# Altium PCB BreakOutBoard_Cyclone.PcbDoc (part 6 of 7)
Units mm, origin at the board's own origin, x right, y up, seen from the top; angles counter-clockwise.
Board outline 360 x 235.6 mm, 2 copper layers (Top Layer, Bottom Layer); 147 components, 203 nets, 2829 pads, 104 vias.
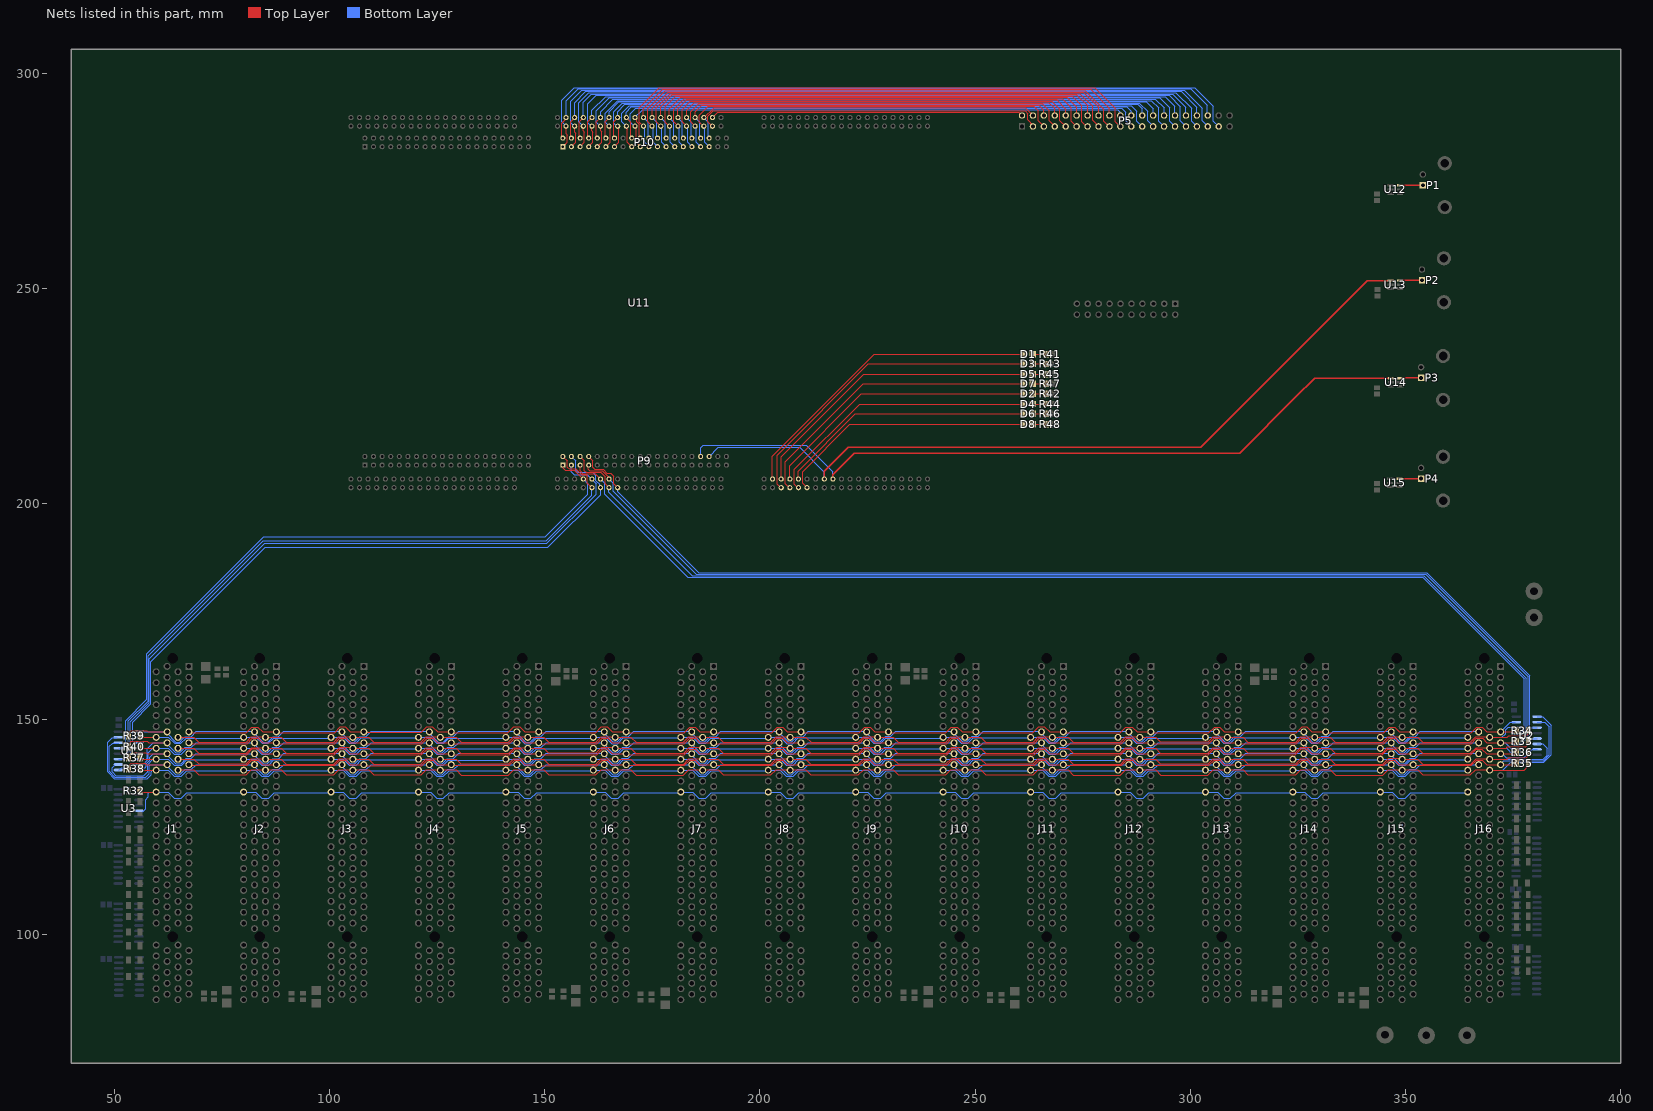
[diagram p6: the nets of this part, all layers, seen from the top]

## Via types
v1: diameter 0.6, hole 0.3, Top Layer to Bottom Layer, 53 vias
v2: diameter 1.27, hole 0.711, Top Layer to Bottom Layer, 36 vias
v3: diameter 5.5, hole 4.5, Top Layer to Bottom Layer, 15 vias

## Nets (pads, with @x,y where several pads share a name; then routed paths per layer and width w, separated by ;. In a path a pad name is that pad's centre, name@x,y a point inside that pad or via, vN(x,y) a via of type N, cw(c..) or ccw(c..) an arc to the next point about the centre after c; other vN are vias at no path point) (continued)
BUS31_P: J1.84 J2.84 J3.84 J4.84 J5.84 J6.84 J7.84 J8.84 J9.84 J10.84 J11.84 J12.84 J13.84 J14.84 J15.84 J16.84 R32.2 U3.5 | length 332.7
  Top Layer w0.15: R32.2@56.1,133.3 56.367,133.032 J1.84@59.69,133.032
  Bottom Layer w0.15: U3.5@56.6,128.5 57.24,129.14 57.24,131.24 57.9,131.9 57.9,132.7 58.233,133.032 J1.84@59.69,133.032 ; J1.84@59.6,133 62.5,133 63.9,131.6 65.5,131.6 66.8,132.9 79.758,132.9 J2.84@79.91,133.052 ; J2.84@79.92,133 82.82,133 84.22,131.6 85.82,131.6 87.12,132.9 100.078,132.9 J3.84@100.23,133.052 ; J3.84@100.24,133 103.14,133 104.54,131.6 106.14,131.6 107.44,132.9 120.398,132.9 J4.84@120.55,133.052 ; J4.84@120.56,133 123.46,133 124.86,131.6 126.46,131.6 127.76,132.9 140.718,132.9 J5.84@140.87,133.052 ; J5.84@140.88,133 143.78,133 145.18,131.6 146.78,131.6 148.08,132.9 161.038,132.9 J6.84@161.19,133.052 ; J6.84@161.2,133 164.1,133 165.5,131.6 167.1,131.6 168.4,132.9 181.358,132.9 J7.84@181.51,133.052 ; J7.84@181.52,133 184.42,133 185.82,131.6 187.42,131.6 188.72,132.9 201.678,132.9 J8.84@201.83,133.052 ; J8.84@201.84,133 204.74,133 206.14,131.6 207.74,131.6 209.04,132.9 221.998,132.9 J9.84@222.15,133.052 ; J9.84@222.16,133 225.06,133 226.46,131.6 228.06,131.6 229.36,132.9 242.318,132.9 J10.84@242.47,133.052 ; J10.84@242.48,133 245.38,133 246.78,131.6 248.38,131.6 249.68,132.9 262.638,132.9 J11.84@262.79,133.052 ; J11.84@262.8,133 265.7,133 267.1,131.6 268.7,131.6 270,132.9 282.958,132.9 J12.84@283.11,133.052 ; J12.84@283.12,133 286.02,133 287.42,131.6 289.02,131.6 290.32,132.9 303.278,132.9 J13.84@303.43,133.052 ; J13.84@303.44,133 306.34,133 307.74,131.6 309.34,131.6 310.64,132.9 323.598,132.9 J14.84@323.75,133.052 ; J14.84@323.76,133 326.66,133 328.06,131.6 329.66,131.6 330.96,132.9 343.918,132.9 J15.84@344.07,133.052 ; J15.84@344.08,133 346.98,133 348.38,131.6 349.98,131.6 351.28,132.9 364.238,132.9 J16.84@364.39,133.052
BUS32: P9.6 U2.11 U11.1B13 | length 261.1
  Top Layer w0.15: P9.6@158.2,211 159.2,210 159.2,207.7 159.58,207.32 162.98,207.32 164,206.3 164,204.7 U11.1B13@164.95,203.75
  Bottom Layer w0.15: U11.1B13@164.9,203.77 164.9,202.65 184.25,183.3 354.3,183.3 378.08,159.52 378.08,145.38 376.895,144.195 U2.11@375.8,144.195
BUS32_N: J1.15 J2.15 J3.15 J4.15 J5.15 J6.15 J7.15 J8.15 J9.15 J10.15 J11.15 J12.15 J13.15 J14.15 J15.15 J16.15 R33.1 U2.10 | length 322.5
  Top Layer w0.15: J1.15@67.506,144.306 80.835,144.306 82.032,145.503 83.436,145.503 84.437,144.502 J2.15@87.63,144.502 ; J2.15@87.826,144.306 101.155,144.306 102.352,145.503 103.756,145.503 104.757,144.502 J3.15@107.95,144.502 ; J3.15@108.146,144.306 108.172,144.28 121.449,144.28 122.672,145.503 124.076,145.503 125.077,144.502 J4.15@128.27,144.502 ; J4.15@128.466,144.306 128.482,144.29 141.779,144.29 142.992,145.503 144.396,145.503 145.397,144.502 J5.15@148.59,144.502 ; J5.15@148.786,144.306 148.822,144.27 162.079,144.27 163.312,145.503 164.716,145.503 165.717,144.502 J6.15@168.91,144.502 ; J6.15@169.106,144.306 169.122,144.29 182.419,144.29 183.632,145.503 185.036,145.503 186.037,144.502 J7.15@189.23,144.502 ; J7.15@189.426,144.306 202.755,144.306 203.952,145.503 205.356,145.503 206.357,144.502 J8.15@209.55,144.502 ; J8.15@209.746,144.306 209.792,144.26 223.029,144.26 224.272,145.503 225.676,145.503 226.677,144.502 J9.15@229.87,144.502 ; J9.15@230.066,144.306 243.395,144.306 244.592,145.503 245.996,145.503 246.997,144.502 J10.15@250.19,144.502 ; J10.15@250.386,144.306 250.412,144.28 263.689,144.28 264.912,145.503 266.316,145.503 267.317,144.502 J11.15@270.51,144.502 ; J11.15@270.706,144.306 270.752,144.26 283.989,144.26 285.232,145.503 286.636,145.503 287.637,144.502 J12.15@290.83,144.502 ; J12.15@291.026,144.306 304.355,144.306 305.552,145.503 306.956,145.503 307.957,144.502 J13.15@311.15,144.502 ; J13.15@311.346,144.306 324.675,144.306 325.872,145.503 327.276,145.503 328.277,144.502 J14.15@331.47,144.502 ; J14.15@331.666,144.306 344.995,144.306 346.192,145.503 347.596,145.503 348.597,144.502 J15.15@351.79,144.502 ; J15.15@351.986,144.306 365.315,144.306 366.512,145.503 367.916,145.503 368.917,144.502 J16.15@372.11,144.502 ; J16.15@372.11,144.463 R33.1@375.563,144.463
  Bottom Layer w0.15: J16.15@372.11,144.463 373.207,144.463 374.67,143 U2.10@374.9,143
BUS32_P: J1.16 J2.16 J3.16 J4.16 J5.16 J6.16 J7.16 J8.16 J9.16 J10.16 J11.16 J12.16 J13.16 J14.16 J15.16 J16.16 R33.2 U2.9 | length 335.2
  Top Layer w0.15: J1.16@64.77,143.173 68.428,143.173 69.57,142.03 80.63,142.03 81.95,143.35 84.912,143.35 J2.16@85.032,143.23 ; J2.16@85.09,143.173 88.748,143.173 89.89,142.03 100.938,142.03 102.308,143.4 105.182,143.4 J3.16@105.352,143.23 ; J3.16@105.41,143.173 109.068,143.173 110.25,141.99 121.198,141.99 122.508,143.3 125.602,143.3 J4.16@125.672,143.23 ; J4.16@125.73,143.173 129.388,143.173 130.5,142.06 141.62,142.06 142.91,143.35 145.872,143.35 J5.16@145.992,143.23 ; J5.16@146.05,143.173 149.708,143.173 150.77,142.11 161.99,142.11 163.27,143.39 166.152,143.39 J6.16@166.312,143.23 ; J6.16@166.37,143.173 170.028,143.173 171.16,142.04 182.24,142.04 183.58,143.38 186.482,143.38 J7.16@186.632,143.23 ; J7.16@186.69,143.173 190.348,143.173 191.5,142.02 202.54,142.02 203.9,143.38 206.802,143.38 J8.16@206.952,143.23 ; J8.16@207.01,143.173 210.668,143.173 211.76,142.08 222.92,142.08 224.22,143.38 227.122,143.38 J9.16@227.272,143.23 ; J9.16@227.33,143.173 230.988,143.173 232.07,142.09 243.25,142.09 244.56,143.4 247.422,143.4 J10.16@247.592,143.23 ; J10.16@247.65,143.173 251.308,143.173 252.42,142.06 263.54,142.06 264.78,143.3 267.842,143.3 J11.16@267.912,143.23 ; J11.16@267.97,143.173 271.628,143.173 272.76,142.04 283.748,142.04 285.062,143.354 288.108,143.354 J12.16@288.232,143.23 ; J12.16@288.29,143.173 291.948,143.173 293.04,142.08 304.088,142.08 305.308,143.3 308.482,143.3 J13.16@308.552,143.23 ; J13.16@308.61,143.173 312.268,143.173 313.33,142.11 324.418,142.11 325.708,143.4 328.702,143.4 J14.16@328.872,143.23 ; J14.16@328.93,143.173 332.588,143.173 333.67,142.09 344.61,142.09 345.81,143.29 349.132,143.29 J15.16@349.192,143.23 ; J15.16@349.25,143.173 352.908,143.173 354.074,142.006 365.082,142.006 366.426,143.35 369.392,143.35 J16.16@369.512,143.23 ; J16.16@369.57,143.192 373.392,143.192 373.7,143.5 378,143.5 R33.2@378.6,144.1
  Bottom Layer w0.15: J16.16@369.57,143.192 373.508,143.192 U2.9@375,141.7
BUS33: P9.5 U2.13 U11.1B12 | length 256.2
  Top Layer w0.15: P9.5@158.2,209 158.2,207.7 158.88,207.02 161.68,207.02 U11.1B12@162.95,205.75
  Bottom Layer w0.15: U11.1B12@162.98,205.72 163.93,204.77 163.93,202.2 183.23,182.9 354.05,182.9 377.6,159.35 377.6,147.5 376.835,146.735 U2.13@375.8,146.735
BUS33_N: J1.14 J2.14 J3.14 J4.14 J5.14 J6.14 J7.14 J8.14 J9.14 J10.14 J11.14 J12.14 J13.14 J14.14 J15.14 J16.14 R34.1 U2.14 | length 336.1
  Top Layer w0.15: J1.14@64.77,145.772 68.428,145.772 69.57,144.63 80.63,144.63 81.83,145.83 J2.14@85.032,145.83 ; J2.14@85.09,145.772 88.748,145.772 89.87,144.65 100.97,144.65 102.15,145.83 J3.14@105.352,145.83 ; J3.14@105.41,145.772 109.068,145.772 110.26,144.58 121.22,144.58 122.47,145.83 J4.14@125.672,145.83 ; J4.14@125.73,145.772 129.388,145.772 130.57,144.59 141.55,144.59 142.79,145.83 J5.14@145.992,145.83 ; J5.14@146.05,145.772 149.708,145.772 150.91,144.57 161.85,144.57 163.11,145.83 J6.14@166.312,145.83 ; J6.14@166.37,145.772 170.028,145.772 171.21,144.59 182.19,144.59 183.43,145.83 J7.14@186.632,145.83 ; J7.14@186.69,145.772 190.348,145.772 191.51,144.61 202.53,144.61 203.75,145.83 J8.14@206.952,145.83 ; J8.14@207.01,145.772 210.668,145.772 211.88,144.56 222.8,144.56 224.07,145.83 J9.14@227.272,145.83 ; J9.14@227.33,145.772 230.988,145.772 232.15,144.61 243.17,144.61 244.39,145.83 J10.14@247.592,145.83 ; J10.14@247.65,145.772 251.308,145.772 252.5,144.58 263.46,144.58 264.71,145.83 J11.14@267.912,145.83 ; J11.14@267.97,145.772 271.628,145.772 272.84,144.56 283.76,144.56 285.03,145.83 J12.14@288.232,145.83 ; J12.14@288.29,145.772 291.948,145.772 293.023,144.697 304.217,144.697 305.35,145.83 J13.14@308.552,145.83 ; J13.14@308.61,145.772 312.268,145.772 313.41,144.63 324.47,144.63 325.67,145.83 J14.14@328.872,145.83 ; J14.14@328.93,145.772 332.588,145.772 333.73,144.63 344.79,144.63 345.99,145.83 J15.14@349.192,145.83 ; J15.14@349.25,145.772 352.908,145.772 354.074,144.606 365.086,144.606 366.31,145.83 J16.14@369.512,145.83 ; J16.14@369.57,145.732 373.632,145.732 374,146.1 378.1,146.1 R34.1@378.7,146.7
  Bottom Layer w0.15: J16.14@369.57,145.732 372.433,145.732 373.3,146.6 373.3,147.5 373.9,148.1 U2.14@375.8,148.1
BUS33_P: J1.13 J2.13 J3.13 J4.13 J5.13 J6.13 J7.13 J8.13 J9.13 J10.13 J11.13 J12.13 J13.13 J14.13 J15.13 J16.13 R34.2 U2.15 | length 325.2
  Top Layer w0.15: J1.13@67.506,146.806 80.606,146.806 81.9,148.1 83.339,148.1 84.437,147.002 J2.13@87.63,147.002 ; J2.13@87.826,146.806 101.155,146.806 102.499,148.15 103.609,148.15 104.757,147.002 J3.13@107.95,147.002 ; J3.13@108.146,146.806 108.29,146.95 121.35,146.95 122.6,148.2 123.879,148.2 125.077,147.002 J4.13@128.27,147.002 ; J4.13@128.466,146.806 141.406,146.806 142.8,148.2 144.199,148.2 145.397,147.002 J5.13@148.59,147.002 ; J5.13@148.786,146.806 161.806,146.806 163.15,148.15 164.569,148.15 165.717,147.002 J6.13@168.91,147.002 ; J6.13@169.106,146.806 182.435,146.806 183.729,148.1 184.939,148.1 186.037,147.002 J7.13@189.23,147.002 ; J7.13@189.426,146.806 202.755,146.806 204.049,148.1 205.259,148.1 206.357,147.002 J8.13@209.55,147.002 ; J8.13@209.746,146.806 223.075,146.806 224.369,148.1 225.579,148.1 226.677,147.002 J9.13@229.87,147.002 ; J9.13@230.066,146.806 243.156,146.806 244.45,148.1 245.899,148.1 246.997,147.002 J10.13@250.19,147.002 ; J10.13@250.386,146.806 263.356,146.806 264.75,148.2 266.119,148.2 267.317,147.002 J11.13@270.51,147.002 ; J11.13@270.706,146.806 283.706,146.806 285,148.1 286.539,148.1 287.637,147.002 J12.13@290.83,147.002 ; J12.13@291.026,146.806 304.355,146.806 305.649,148.1 306.859,148.1 307.957,147.002 J13.13@311.15,147.002 ; J13.13@311.346,146.806 324.675,146.806 326.019,148.15 327.129,148.15 328.277,147.002 J14.13@331.47,147.002 ; J14.13@331.666,146.806 344.995,146.806 346.289,148.1 347.499,148.1 348.597,147.002 J15.13@351.79,147.002 ; J15.13@351.986,146.806 365.315,146.806 366.609,148.1 367.819,148.1 368.917,147.002 J16.13@372.11,147.002 375.303,147.002 R34.2@375.7,147.4
  Bottom Layer w0.15: J16.13@372.11,147.002 374.408,149.3 U2.15@375.5,149.3
BUS34: P9.8 U2.3 U11.1B15 | length 256
  Top Layer w0.15: P9.8@160.2,211 161.2,210 161.2,208.46 161.67,207.99 163.56,207.99 164.45,207.1 165.3,207.1 166,206.4 166,204.7 U11.1B15@166.95,203.75 U11.1B15@167,203.7
  Bottom Layer w0.15: U11.1B15@166.95,203.72 166.95,202.8 185.75,184 355,184 378.95,160.05 378.95,148.005 U2.3@380.6,148.005
BUS34_N: J1.19 J2.19 J3.19 J4.19 J5.19 J6.19 J7.19 J8.19 J9.19 J10.19 J11.19 J12.19 J13.19 J14.19 J15.19 J16.19 R35.1 U2.2 | length 341.9
  Top Layer w0.15: J1.19@67.506,139.206 80.689,139.206 81.933,140.45 83.389,140.45 84.437,139.402 J2.19@87.63,139.402 ; J2.19@87.826,139.206 101.155,139.206 102.389,140.44 103.719,140.44 104.757,139.402 J3.19@107.95,139.402 ; J3.19@108.146,139.206 108.172,139.18 121.449,139.18 122.699,140.43 124.049,140.43 125.077,139.402 J4.19@128.27,139.402 ; J4.19@128.466,139.206 141.795,139.206 143.019,140.43 144.369,140.43 145.397,139.402 J5.19@148.59,139.402 ; J5.19@148.786,139.206 148.822,139.17 162.079,139.17 163.339,140.43 164.689,140.43 165.717,139.402 J6.19@168.91,139.402 ; J6.19@169.106,139.206 182.435,139.206 183.659,140.43 185.009,140.43 186.037,139.402 J7.19@189.23,139.402 ; J7.19@189.426,139.206 202.755,139.206 204.019,140.47 205.289,140.47 206.357,139.402 J8.19@209.55,139.402 ; J8.19@209.746,139.206 223.075,139.206 224.299,140.43 225.649,140.43 226.677,139.402 J9.19@229.87,139.402 ; J9.19@230.066,139.206 243.395,139.206 244.689,140.5 245.899,140.5 246.997,139.402 J10.19@250.19,139.402 ; J10.19@250.386,139.206 263.715,139.206 264.939,140.43 266.289,140.43 267.317,139.402 J11.19@270.51,139.402 ; J11.19@270.706,139.206 270.712,139.2 284.029,139.2 285.259,140.43 286.609,140.43 287.637,139.402 J12.19@290.83,139.402 ; J12.19@291.026,139.206 304.355,139.206 305.579,140.43 306.929,140.43 307.957,139.402 J13.19@311.15,139.402 ; J13.19@311.346,139.206 324.675,139.206 325.899,140.43 327.249,140.43 328.277,139.402 J14.19@331.47,139.402 ; J14.19@331.666,139.206 344.995,139.206 346.259,140.47 347.529,140.47 348.597,139.402 J15.19@351.79,139.402 ; J15.19@351.986,139.206 365.315,139.206 366.539,140.43 367.889,140.43 368.917,139.402 J16.19@372.11,139.402 ; J16.19@372.11,139.382 375.583,139.382 R35.1@375.8,139.6
  Bottom Layer w0.15: J16.19@372.1,139.6 372.846,140.346 382.122,140.346 383.45,141.674 383.45,148.25 382.425,149.275 U2.2@380.6,149.275
BUS34_P: J1.20 J2.20 J3.20 J4.20 J5.20 J6.20 J7.20 J8.20 J9.20 J10.20 J11.20 J12.20 J13.20 J14.20 J15.20 J16.20 R35.2 U2.1 | length 355.2
  Top Layer w0.15: J1.20@64.77,138.172 68.428,138.172 69.61,136.99 80.59,136.99 81.83,138.23 J2.20@85.032,138.23 ; J2.20@85.09,138.172 88.748,138.172 89.92,137 100.92,137 102.15,138.23 J3.20@105.352,138.23 ; J3.20@105.41,138.172 109.068,138.172 110.24,137 121.24,137 122.47,138.23 J4.20@125.672,138.23 ; J4.20@125.73,138.172 129.388,138.172 130.6,136.96 141.52,136.96 142.79,138.23 J5.20@145.992,138.23 ; J5.20@146.05,138.172 149.708,138.172 150.89,136.99 161.87,136.99 163.11,138.23 J6.20@166.312,138.23 ; J6.20@166.37,138.172 170.028,138.172 171.23,136.97 182.17,136.97 183.43,138.23 J7.20@186.632,138.23 ; J7.20@186.69,138.172 190.348,138.172 191.47,137.05 202.57,137.05 203.75,138.23 J8.20@206.952,138.23 ; J8.20@207.01,138.172 210.668,138.172 211.84,137 222.84,137 224.07,138.23 J9.20@227.272,138.23 ; J9.20@227.33,138.172 230.988,138.172 232.16,137 243.16,137 244.39,138.23 J10.20@247.592,138.23 ; J10.20@247.65,138.172 251.308,138.172 252.48,137 263.48,137 264.71,138.23 J11.20@267.912,138.23 ; J11.20@267.97,138.172 271.628,138.172 272.82,136.98 283.78,136.98 285.03,138.23 J12.20@288.232,138.23 ; J12.20@288.29,138.172 291.948,138.172 293.15,136.97 304.09,136.97 305.35,138.23 J13.20@308.552,138.23 ; J13.20@308.61,138.172 312.268,138.172 313.363,137.077 324.517,137.077 325.67,138.23 J14.20@328.872,138.23 ; J14.20@328.93,138.172 332.588,138.172 333.8,136.96 344.72,136.96 345.99,138.23 J15.20@349.192,138.23 ; J15.20@349.25,138.172 352.908,138.172 354.07,137.01 365.09,137.01 366.31,138.23 J16.20@369.512,138.23 ; J16.20@369.57,138.112 377.612,138.112 R35.2@378.6,139.1
  Bottom Layer w0.15: J16.20@369.5,138.1 372.6,138.1 374.45,139.95 382.15,139.95 383.89,141.69 383.89,148.52 381.865,150.545 U2.1@380.6,150.545
BUS35: P9.7 U2.5 U11.1B14 | length 256.6
  Top Layer w0.15: P9.7@160.1,209 160.1,208 160.44,207.66 163.33,207.66 164.95,206.04 U11.1B14@164.95,205.75
  Bottom Layer w0.15: U11.1B14@165,205.67 165.94,204.73 165.94,202.96 185.25,183.65 354.7,183.65 378.56,159.79 378.56,145.94 379.035,145.465 U2.5@380.6,145.465
BUS35_N: J1.18 J2.18 J3.18 J4.18 J5.18 J6.18 J7.18 J8.18 J9.18 J10.18 J11.18 J12.18 J13.18 J14.18 J15.18 J16.18 R36.1 U2.6 | length 346.3
  Top Layer w0.15: J1.18@64.77,140.672 68.428,140.672 69.55,139.55 80.608,139.55 81.808,140.75 85.012,140.75 J2.18@85.032,140.73 ; J2.18@85.09,140.672 88.748,140.672 89.89,139.53 100.95,139.53 102.197,140.777 105.305,140.777 J3.18@105.352,140.73 ; J3.18@105.41,140.672 109.068,140.672 110.26,139.48 121.22,139.48 122.47,140.73 J4.18@125.672,140.73 ; J4.18@125.73,140.672 129.388,140.672 130.51,139.55 141.61,139.55 142.79,140.73 J5.18@145.992,140.73 ; J5.18@146.05,140.672 149.708,140.672 150.91,139.47 161.85,139.47 163.11,140.73 J6.18@166.312,140.73 ; J6.18@166.37,140.672 170.028,140.672 171.16,139.54 182.24,139.54 183.43,140.73 J7.18@186.632,140.73 ; J7.18@186.69,140.672 190.348,140.672 191.49,139.53 202.55,139.53 203.79,140.77 206.912,140.77 J8.18@206.952,140.73 ; J8.18@207.01,140.672 210.668,140.672 211.82,139.52 222.86,139.52 224.07,140.73 J9.18@227.272,140.73 ; J9.18@227.33,140.672 230.988,140.672 232.09,139.57 243.23,139.57 244.54,140.88 247.442,140.88 J10.18@247.592,140.73 ; J10.18@247.65,140.672 251.308,140.672 252.42,139.56 263.54,139.56 264.71,140.73 J11.18@267.912,140.73 ; J11.18@267.97,140.672 271.628,140.672 272.8,139.5 283.8,139.5 285.03,140.73 J12.18@288.232,140.73 ; J12.18@288.29,140.672 291.948,140.672 293.06,139.56 304.18,139.56 305.35,140.73 J13.18@308.552,140.73 ; J13.18@308.61,140.672 312.268,140.672 313.323,139.617 324.557,139.617 325.67,140.73 J14.18@328.872,140.73 ; J14.18@328.93,140.672 332.588,140.672 333.74,139.52 344.78,139.52 346.087,140.827 349.095,140.827 J15.18@349.192,140.73 ; J15.18@349.25,140.672 352.908,140.672 354.074,139.506 365.191,139.506 366.415,140.73 J16.18@369.512,140.73 ; J16.18@369.57,140.653 373.652,140.653 374,141 378.1,141 R36.1@378.7,141.6
  Bottom Layer w0.15: J16.18@369.6,140.6 369.646,140.646 381.997,140.646 382.925,141.574 382.925,143.175 381.905,144.195 U2.6@380.6,144.195
BUS35_P: J1.17 J2.17 J3.17 J4.17 J5.17 J6.17 J7.17 J8.17 J9.17 J10.17 J11.17 J12.17 J13.17 J14.17 J15.17 J16.17 R36.2 U2.7 | length 330.3
  Top Layer w0.15: J1.17@67.506,141.706 80.73,141.706 82.074,143.05 83.289,143.05 84.437,141.903 J2.17@87.63,141.903 ; J2.17@87.826,141.706 101.039,141.706 102.433,143.1 103.559,143.1 104.757,141.903 J3.17@107.95,141.903 ; J3.17@108.146,141.706 108.162,141.69 121.323,141.69 122.633,143 123.979,143 125.077,141.903 J4.17@128.27,141.903 ; J4.17@128.466,141.706 141.795,141.706 143.139,143.05 144.249,143.05 145.397,141.903 J5.17@148.59,141.903 ; J5.17@148.786,141.706 162.115,141.706 163.459,143.05 164.569,143.05 165.717,141.903 J6.17@168.91,141.903 ; J6.17@169.106,141.706 182.435,141.706 183.729,143 184.939,143 186.037,141.903 J7.17@189.23,141.903 ; J7.17@189.426,141.706 202.755,141.706 204.049,143 205.259,143 206.357,141.903 J8.17@209.55,141.903 ; J8.17@209.746,141.706 223.075,141.706 224.419,143.05 225.529,143.05 226.677,141.903 J9.17@229.87,141.903 ; J9.17@230.066,141.706 243.395,141.706 244.739,143.05 245.849,143.05 246.997,141.903 J10.17@250.19,141.903 ; J10.17@250.386,141.706 263.715,141.706 265.009,143 266.219,143 267.317,141.903 J11.17@270.51,141.903 ; J11.17@270.706,141.706 283.839,141.706 285.133,143 286.539,143 287.637,141.903 J12.17@290.83,141.903 ; J12.17@291.026,141.706 304.139,141.706 305.433,143 306.859,143 307.957,141.903 J13.17@311.15,141.903 ; J13.17@311.346,141.706 324.439,141.706 325.833,143.1 327.079,143.1 328.277,141.903 J14.17@331.47,141.903 ; J14.17@331.666,141.706 344.656,141.706 345.94,142.99 347.76,142.99 348.847,141.903 J15.17@351.79,141.903 ; J15.17@351.986,141.706 365.206,141.706 366.55,143.05 366.573,143.027 367.792,143.027 368.917,141.903 J16.17@372.11,141.903 ; J16.17@372.11,141.922 375.722,141.922 R36.2@375.8,142
  Bottom Layer w0.15: J16.17@372.4,142 373.454,140.946 377.446,140.946 379.425,142.925 U2.7@380.6,142.925
BUS36: P9.2 U1.11 U11.1B9 | length 159.4
  Top Layer w0.15: P9.2@154.2,211 155.2,210 155.2,208.56 155.63,208.13 157.23,208.13 158.64,206.72 159.58,206.72 159.9,206.4 159.9,204.8 U11.1B9@160.95,203.75
  Bottom Layer w0.15: U1.11@51,140.595 52.295,140.595 53.2,141.5 53.2,149.56 57.8,154.16 57.8,164.7 84.55,191.45 150.3,191.45 160.9,202.05 U11.1B9@160.9,203.66
BUS36_N: J1.78 J2.78 J3.78 J4.78 J5.78 J6.78 J7.78 J8.78 J9.78 J10.78 J11.78 J12.78 J13.78 J14.78 J15.78 J16.78 R37.1 U1.10 | length 341.1
  Top Layer w0.15: R37.1@56,140.9 56.247,140.653 J1.78@59.69,140.653
  Bottom Layer w0.15: U1.10@50.1,139.3 49.5,138.7 49.5,137.69 50.34,136.85 56.8,136.85 57.72,137.77 57.72,139.42 58.952,140.653 J1.78@59.69,140.653 ; J1.78@59.6,140.7 62.5,140.7 63.9,139.3 65.624,139.3 66.834,140.51 79.668,140.51 J2.78@79.91,140.752 ; J2.78@79.92,140.7 82.82,140.7 84.22,139.3 85.82,139.3 87.04,140.52 99.998,140.52 J3.78@100.23,140.752 ; J3.78@100.24,140.7 103.14,140.7 104.54,139.3 106.14,139.3 107.34,140.5 120.298,140.5 J4.78@120.55,140.752 ; J4.78@120.56,140.7 123.46,140.7 124.86,139.3 126.46,139.3 127.61,140.45 140.568,140.45 J5.78@140.87,140.752 ; J5.78@140.88,140.7 143.78,140.7 145.18,139.3 146.78,139.3 147.98,140.5 160.938,140.5 J6.78@161.19,140.752 ; J6.78@161.2,140.7 164.1,140.7 165.5,139.3 167.1,139.3 168.29,140.49 181.248,140.49 J7.78@181.51,140.752 ; J7.78@181.52,140.7 184.42,140.7 185.82,139.3 187.42,139.3 188.63,140.51 201.588,140.51 J8.78@201.83,140.752 ; J8.78@201.84,140.7 204.74,140.7 206.14,139.3 207.74,139.3 208.96,140.52 221.918,140.52 J9.78@222.15,140.752 ; J9.78@222.16,140.7 225.06,140.7 226.46,139.3 228.06,139.3 229.25,140.49 242.208,140.49 J10.78@242.47,140.752 ; J10.78@242.48,140.7 245.38,140.7 246.78,139.3 248.38,139.3 249.6,140.52 262.558,140.52 J11.78@262.79,140.752 ; J11.78@262.8,140.7 265.7,140.7 267.1,139.3 268.7,139.3 269.87,140.47 282.828,140.47 J12.78@283.11,140.752 ; J12.78@283.12,140.7 286.02,140.7 287.42,139.3 289.02,139.3 290.24,140.52 303.198,140.52 J13.78@303.43,140.752 ; J13.78@303.44,140.7 306.34,140.7 307.74,139.3 309.34,139.3 310.56,140.52 323.518,140.52 J14.78@323.75,140.752 ; J14.78@323.76,140.7 326.66,140.7 328.06,139.3 329.66,139.3 330.84,140.48 343.798,140.48 J15.78@344.07,140.752 ; J15.78@344.08,140.7 346.98,140.7 348.43,139.25 349.93,139.25 351.2,140.52 364.158,140.52 J16.78@364.39,140.752
BUS36_P: J1.77 J2.77 J3.77 J4.77 J5.77 J6.77 J7.77 J8.77 J9.77 J10.77 J11.77 J12.77 J13.77 J14.77 J15.77 J16.77 R37.2 U1.9 | length 360.5
  Top Layer w0.15: R37.2@53.4,141.6 54,142.2 57.3,142.2 57.577,141.922 J1.77@62.23,141.922
  Bottom Layer w0.15: U1.9@51,138.055 51.645,138.7 57.1,138.7 57.4,139 57.4,139.6 58.208,140.408 58.208,141.108 59,141.9 J1.77@62.2,141.9 ; J1.77@62.1,142 62.1,141.7 64.2,139.6 65.5,139.6 66.73,140.83 67.83,140.83 68.94,141.94 82.42,141.94 82.42,141.7 84.52,139.6 85.52,139.6 86.74,140.82 88.14,140.82 89.343,142.022 J3.77@102.77,142.022 ; J3.77@102.74,142 102.74,141.7 104.84,139.6 105.84,139.6 107.04,140.8 108.44,140.8 109.663,142.022 J4.77@123.09,142.022 ; J4.77@123.06,142 123.06,141.7 125.16,139.6 126.16,139.6 127.31,140.75 128.71,140.75 129.983,142.022 J5.77@143.41,142.022 ; J5.77@143.38,142 143.38,141.7 145.48,139.6 146.48,139.6 147.68,140.8 149.08,140.8 150.303,142.022 J6.77@163.73,142.022 ; J6.77@163.7,142 163.7,141.7 165.8,139.6 166.8,139.6 168.05,140.85 169.45,140.85 170.623,142.022 J7.77@184.05,142.022 ; J7.77@184.02,142 184.02,141.7 186.12,139.6 187.12,139.6 188.37,140.85 189.77,140.85 190.943,142.022 J8.77@204.37,142.022 ; J8.77@204.34,142 204.34,141.7 206.44,139.6 207.44,139.6 208.69,140.85 210.09,140.85 211.263,142.022 J9.77@224.69,142.022 ; J9.77@224.66,142 224.66,141.7 226.76,139.6 227.76,139.6 229.01,140.85 230.41,140.85 231.583,142.022 J10.77@245.01,142.022 ; J10.77@244.98,142 244.98,141.7 247.08,139.6 248.08,139.6 249.33,140.85 250.73,140.85 251.903,142.022 J11.77@265.33,142.022 ; J11.77@265.3,142 265.3,141.7 267.4,139.6 268.4,139.6 269.6,140.8 271,140.8 272.223,142.022 J12.77@285.65,142.022 ; J12.77@285.62,142 285.62,141.7 287.72,139.6 288.72,139.6 289.94,140.82 291.34,140.82 292.543,142.022 J13.77@305.97,142.022 ; J13.77@305.94,142 305.94,141.7 308.04,139.6 309.04,139.6 310.26,140.82 311.66,140.82 312.863,142.022 J14.77@326.29,142.022 ; J14.77@326.26,142 326.26,141.7 328.36,139.6 329.36,139.6 330.54,140.78 331.94,140.78 333.183,142.022 J15.77@346.61,142.022 ; J15.77@346.58,142 346.58,141.7 348.73,139.55 349.8,139.55 351.1,140.85 352.33,140.85 353.503,142.022 J16.77@366.93,142.022